# Altium PCB CryptUS_RevB_ASM.PcbDoc (part 1 of 3)
Units mil, origin at the board's own origin, x right, y up, seen from the top; angles counter-clockwise.
Board outline 3937.01 x 3937.01 mil, 8 copper layers (Top Layer, GND 1, Signal 1, GND 2, Signal 2, PWR, GND 3, Bottom Layer), stack 59.978 mil thick; 196 components, 53 nets, 984 pads, 1003 vias.
Unrouted connection lines stored in the file: 186.
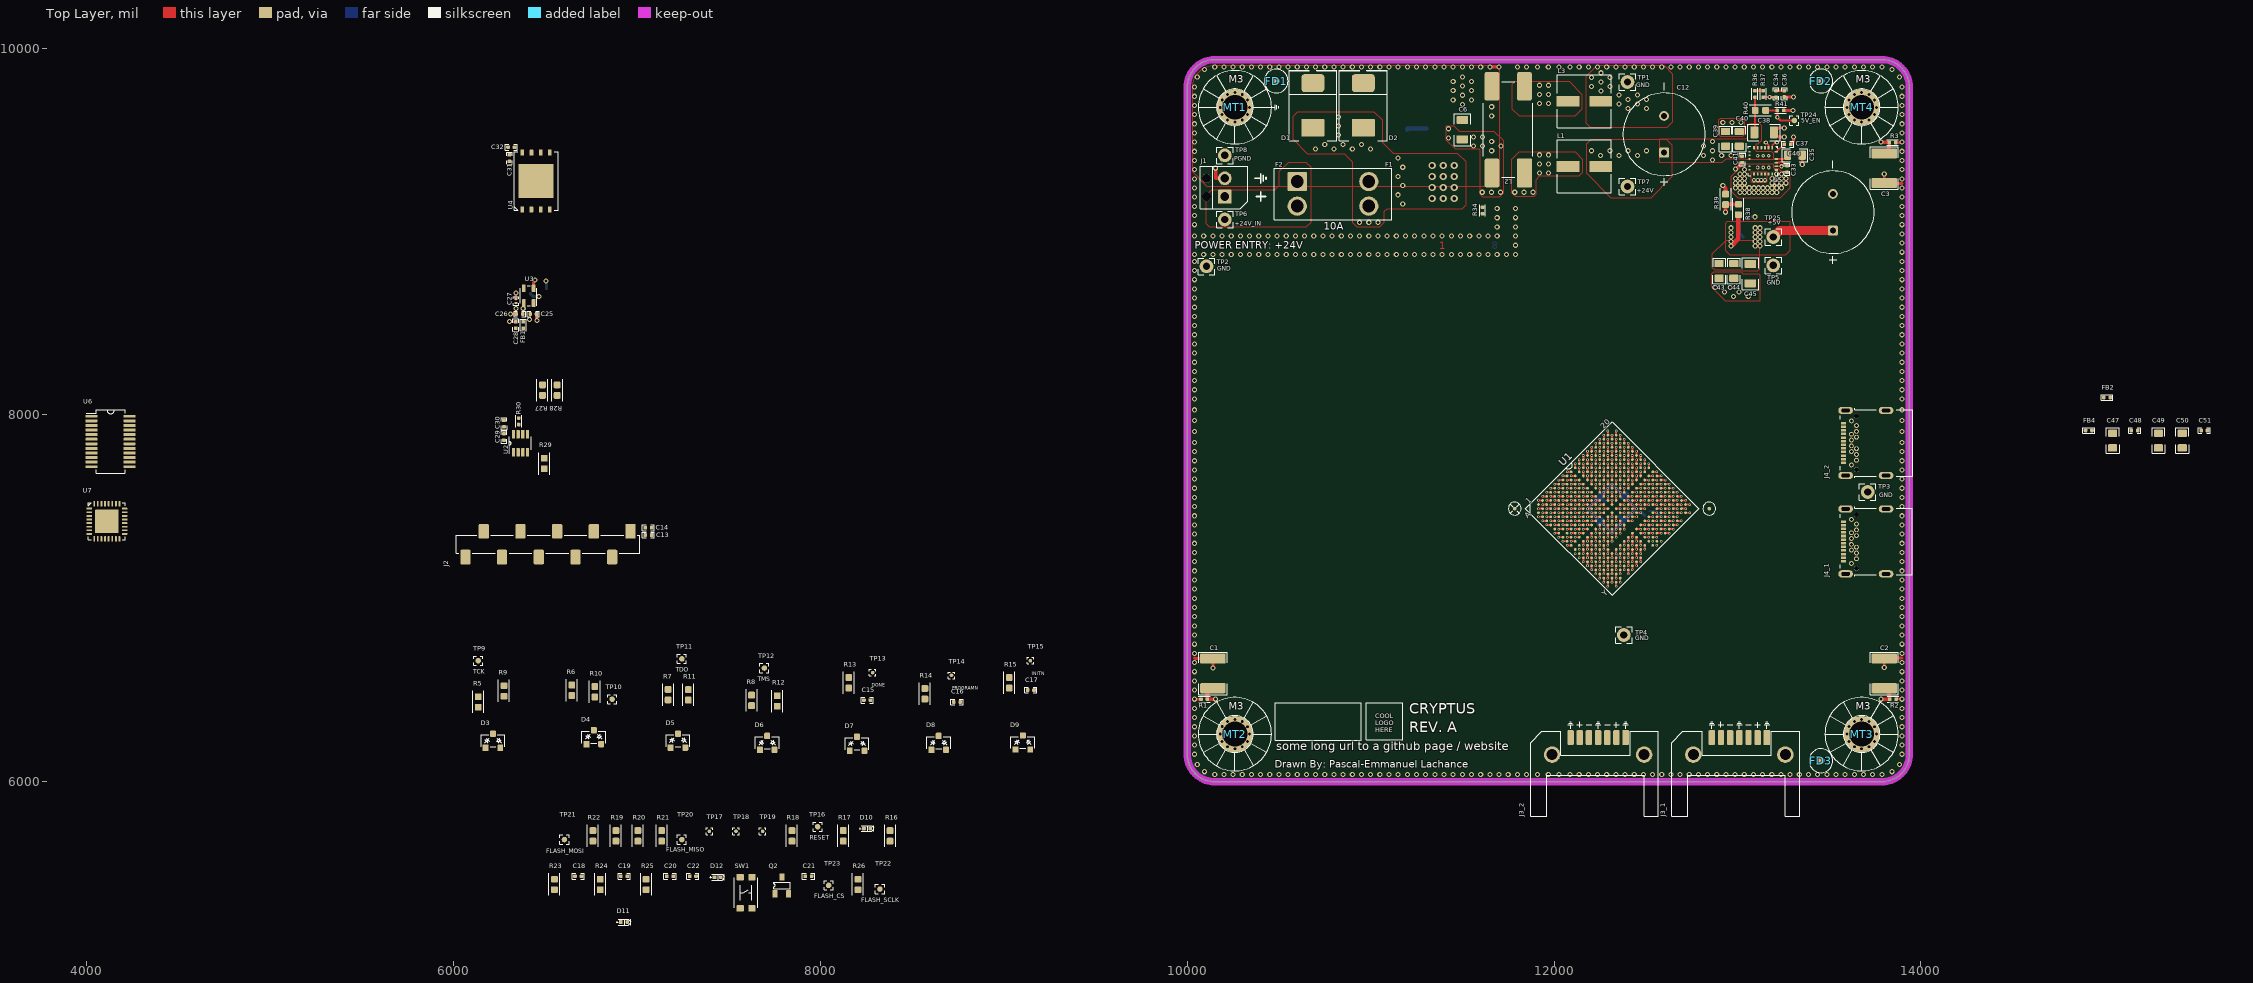
[diagram p0: Top Layer view]
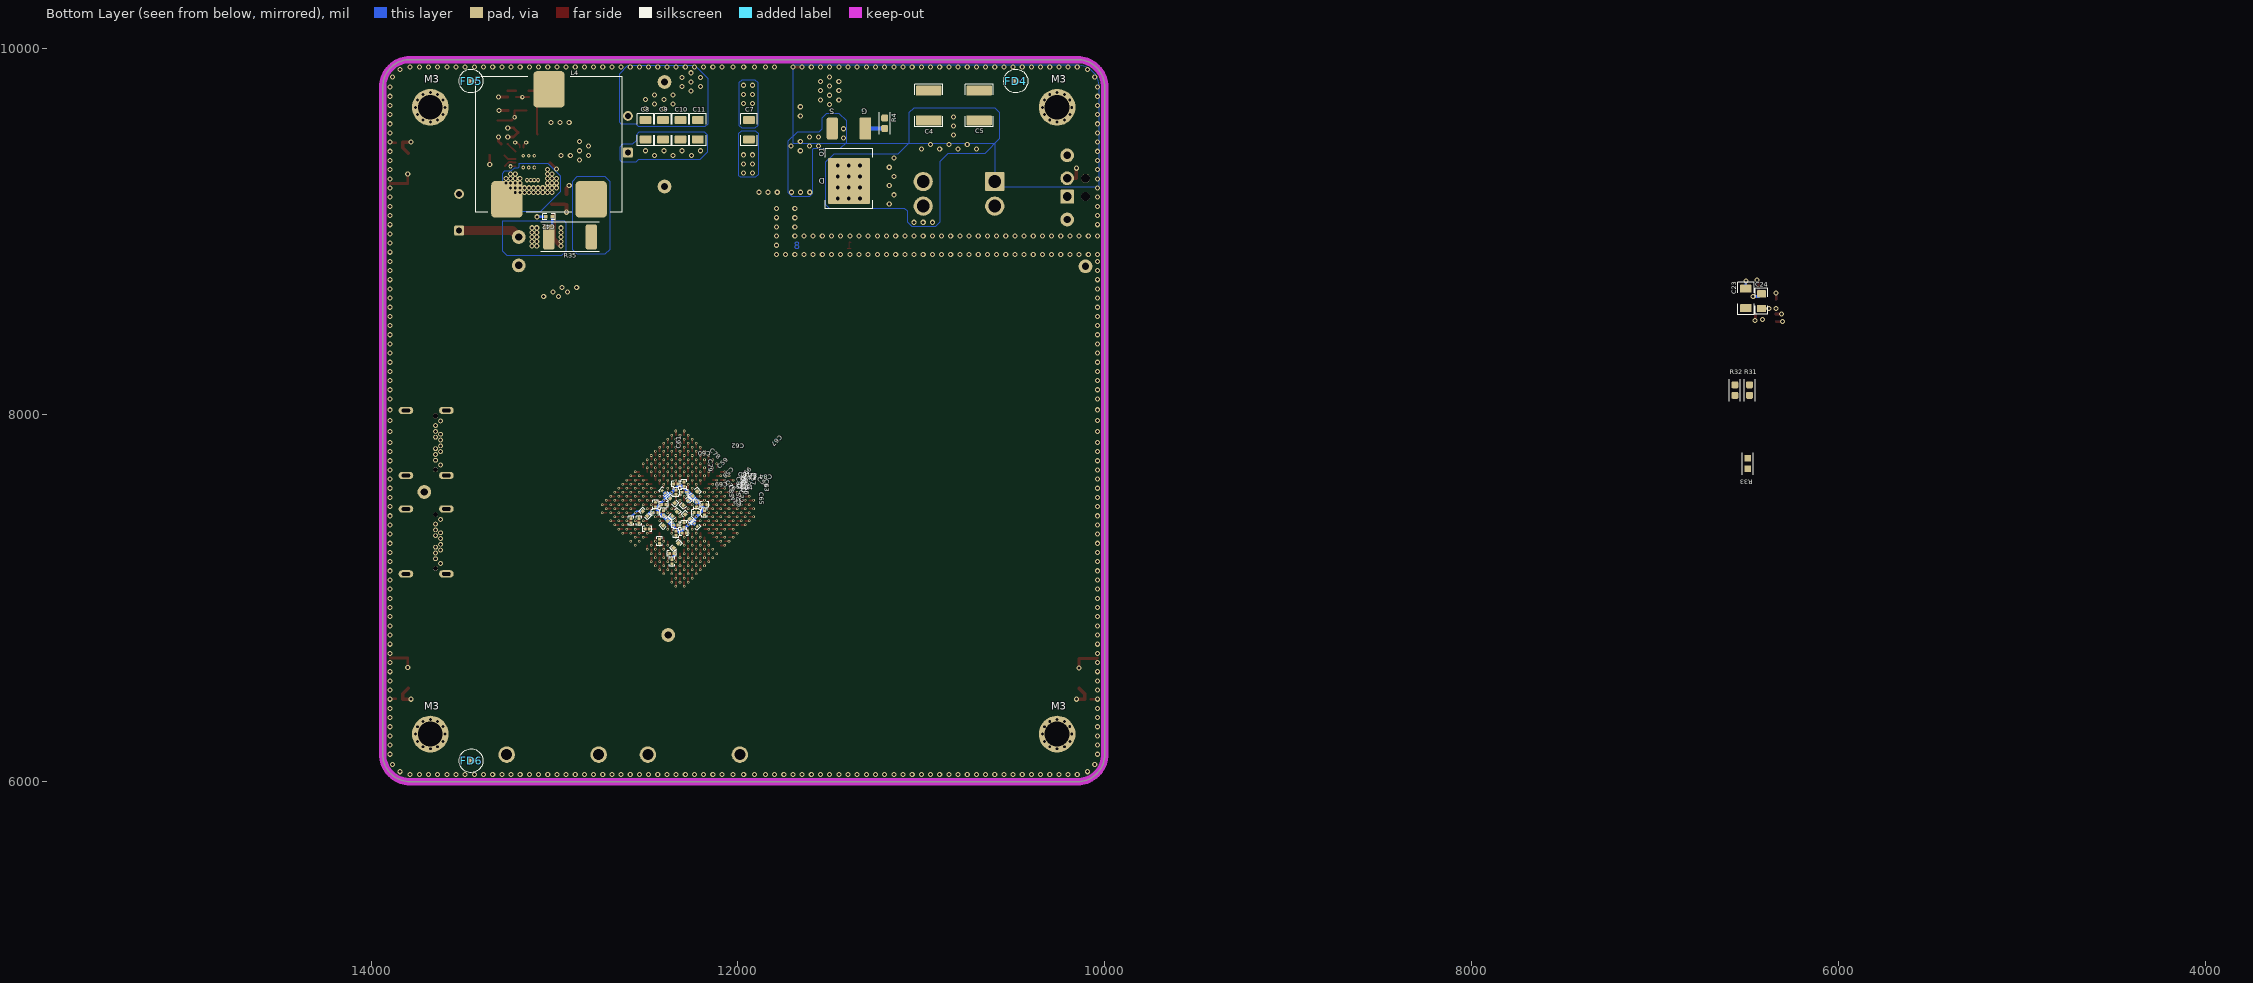
[diagram p1: Bottom Layer view, seen from below]
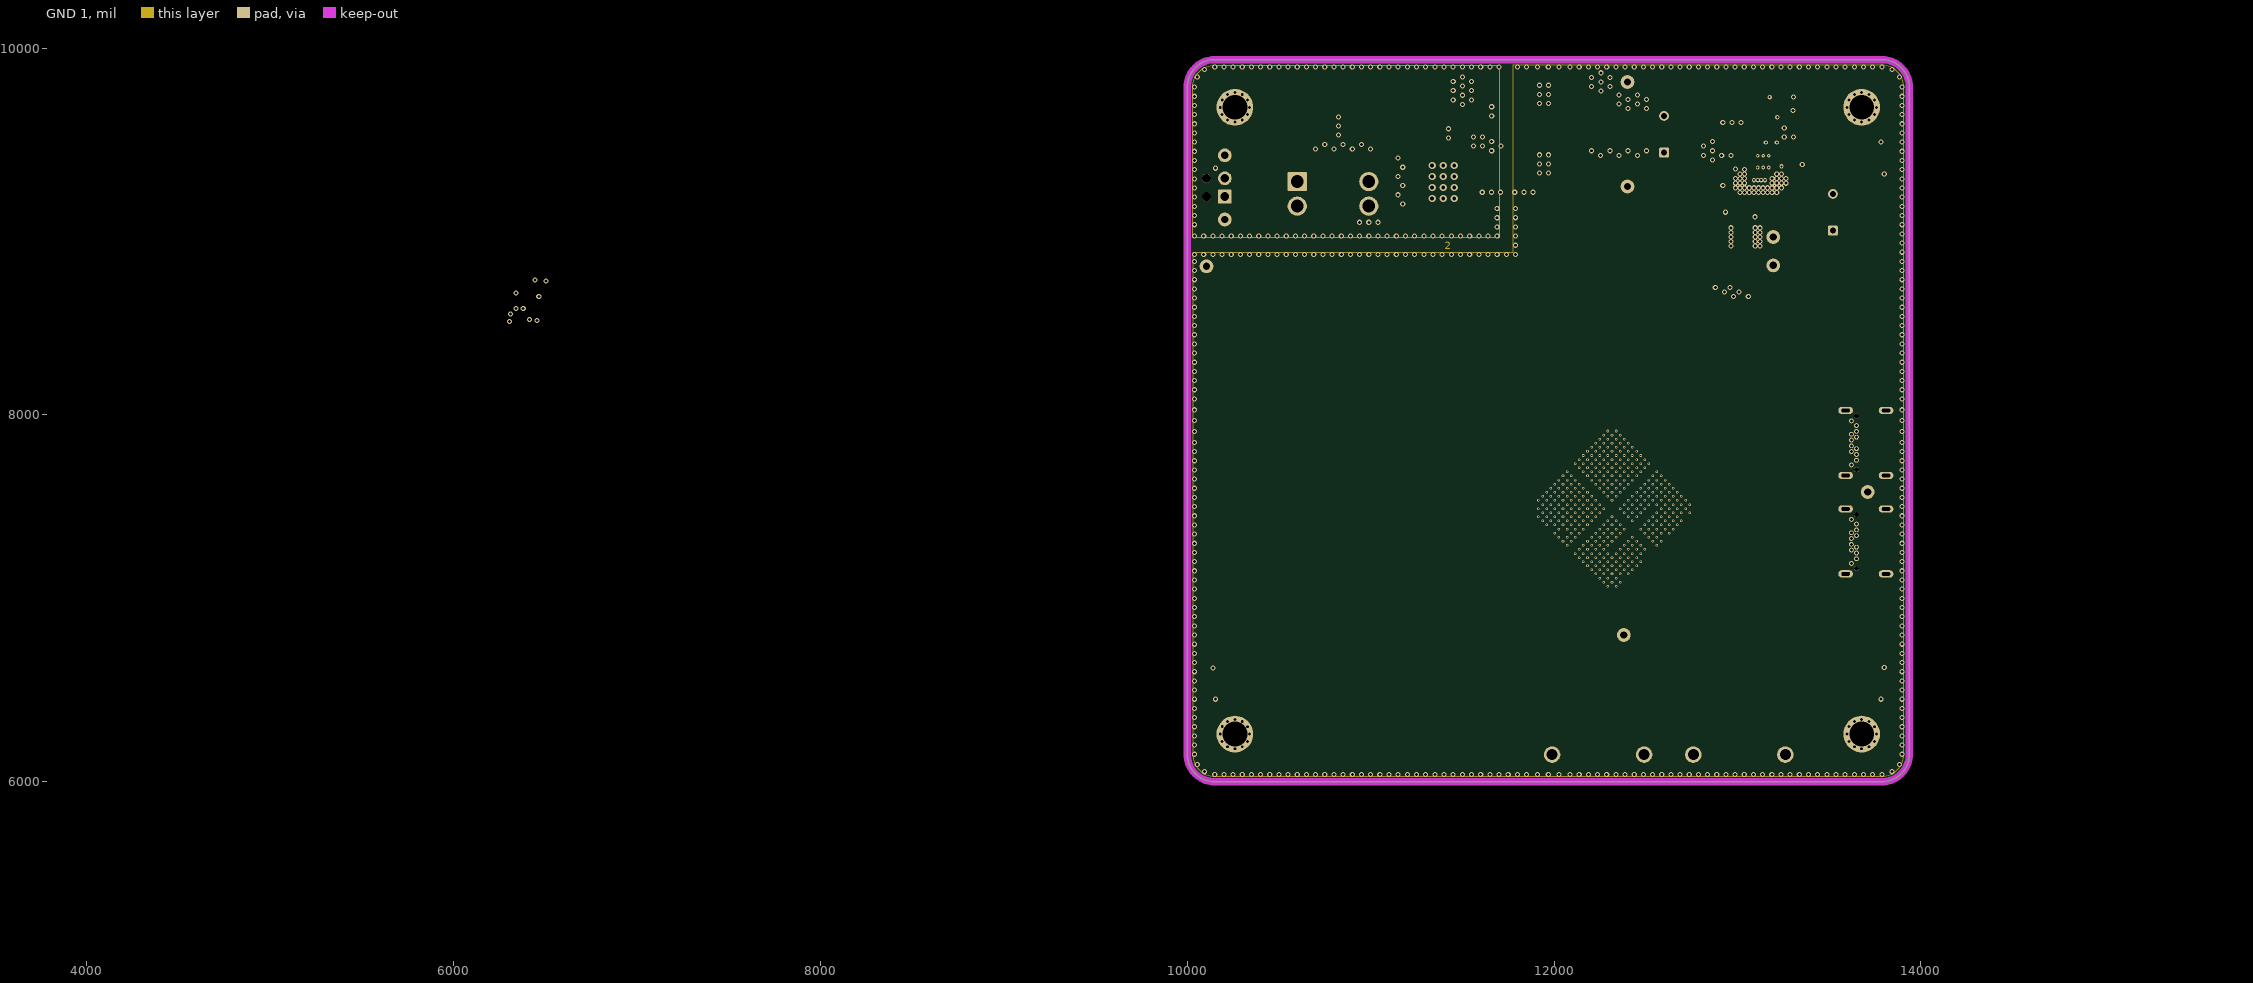
[diagram p2: GND 1]
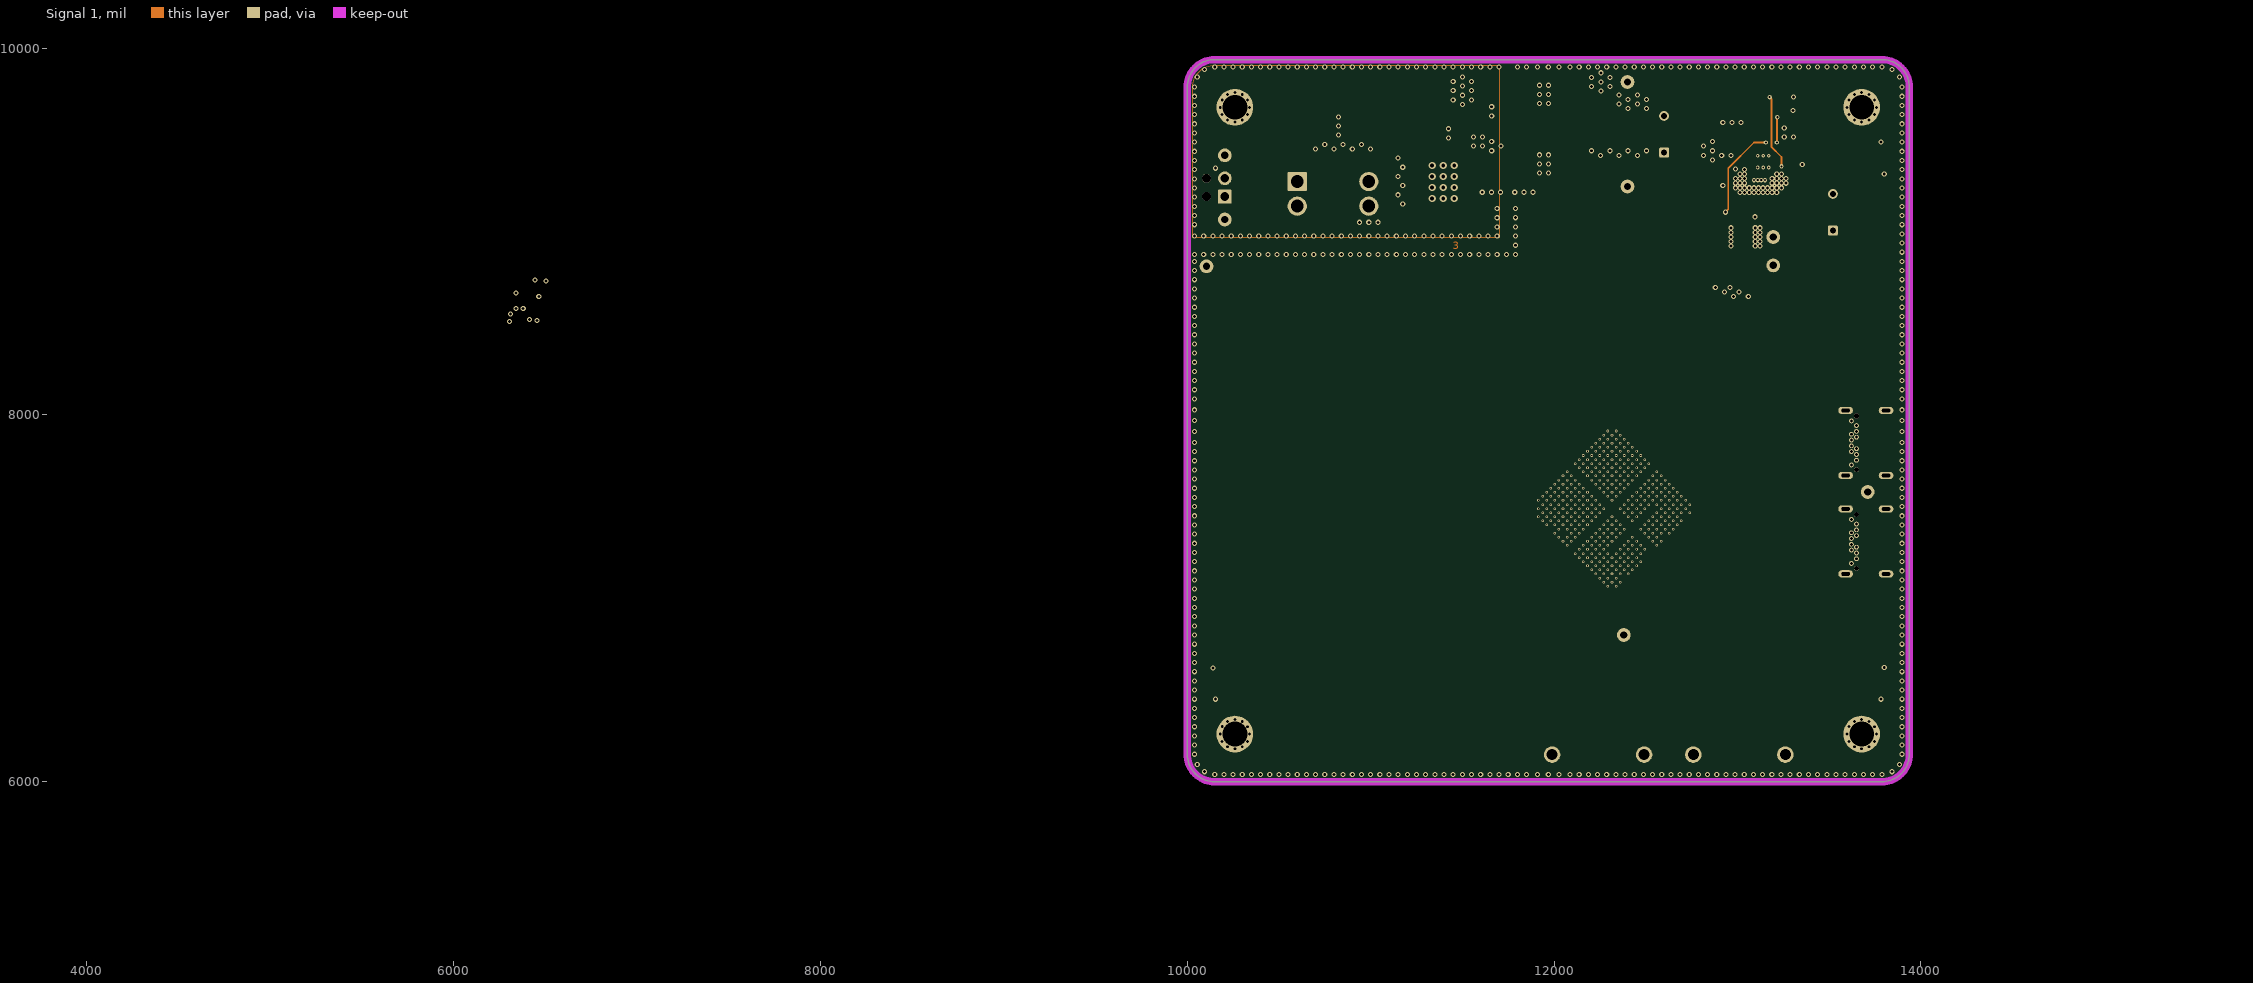
[diagram p3: Signal 1]
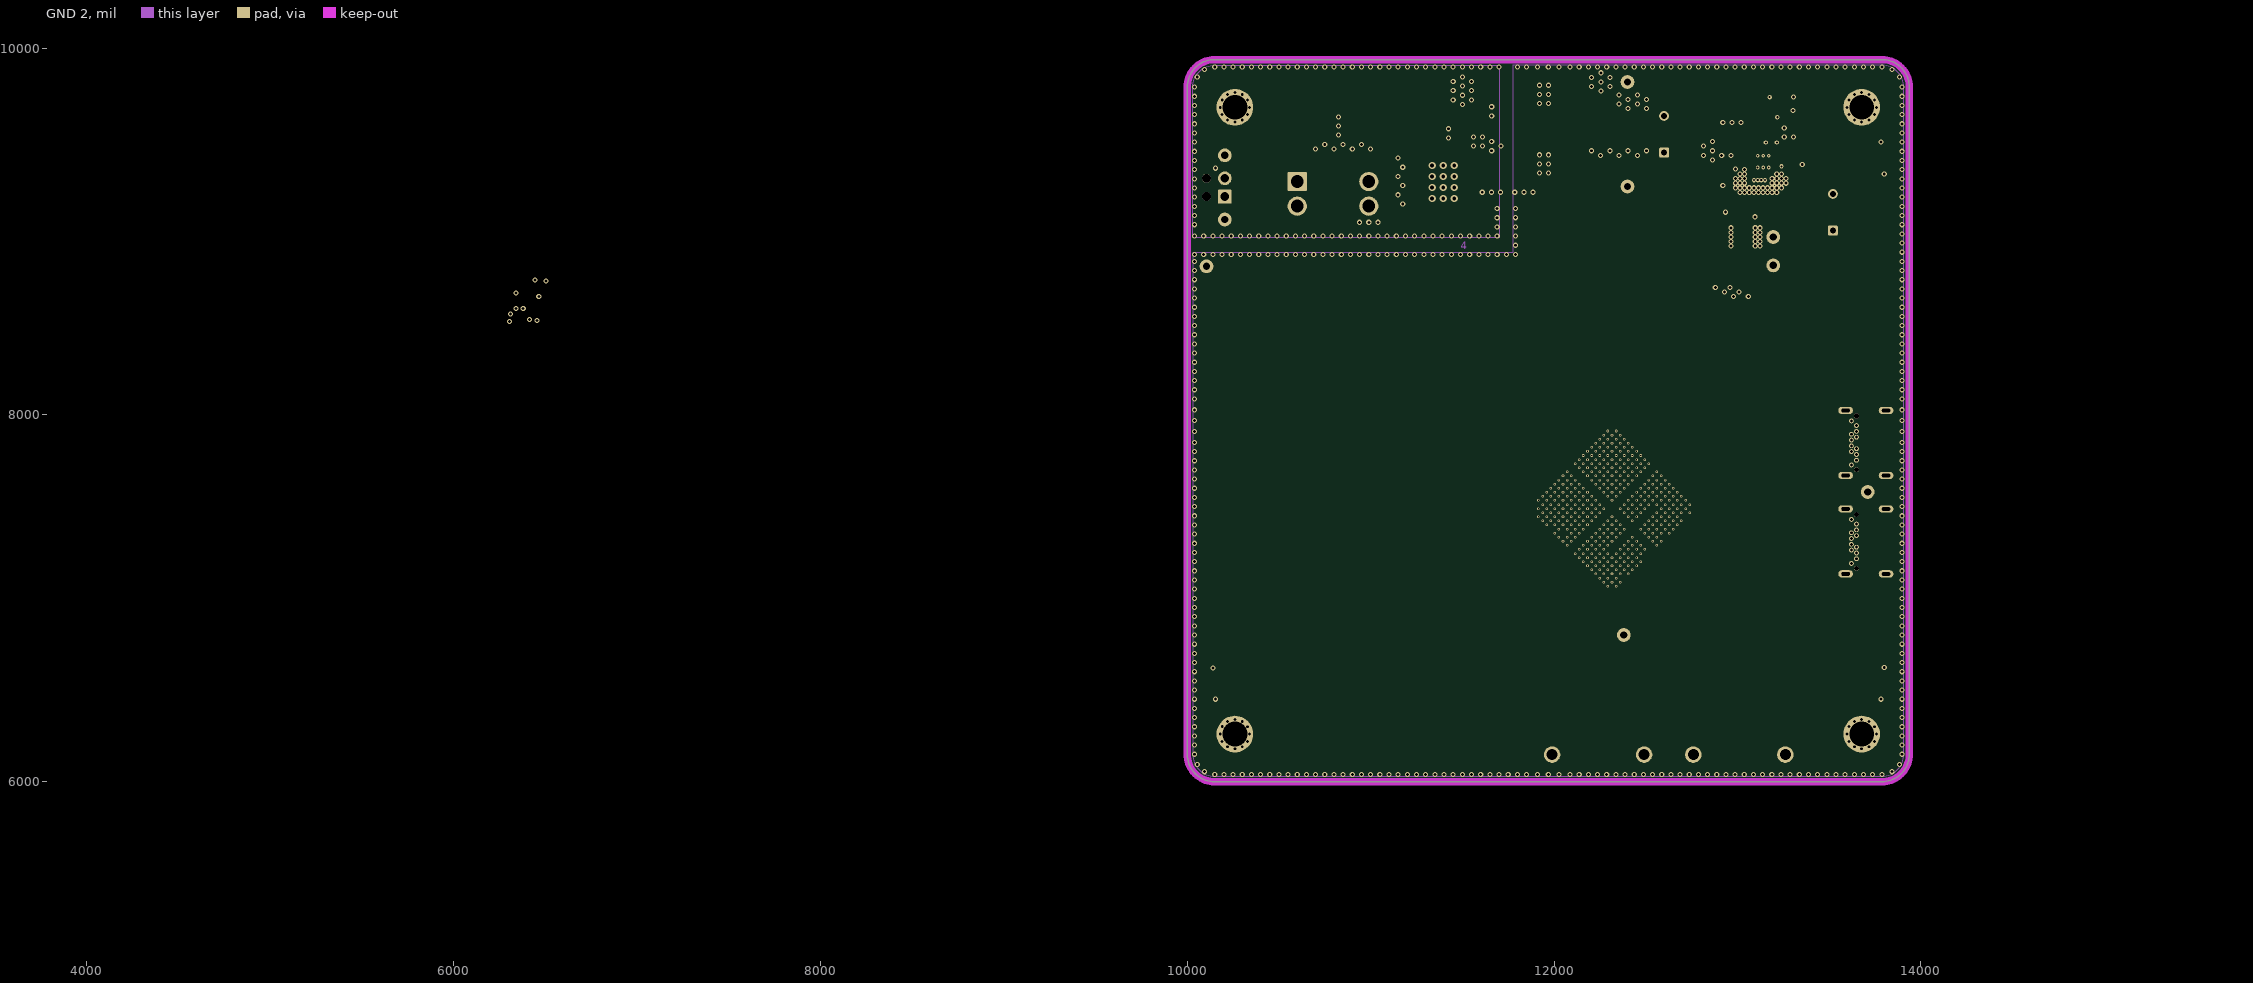
[diagram p4: GND 2]
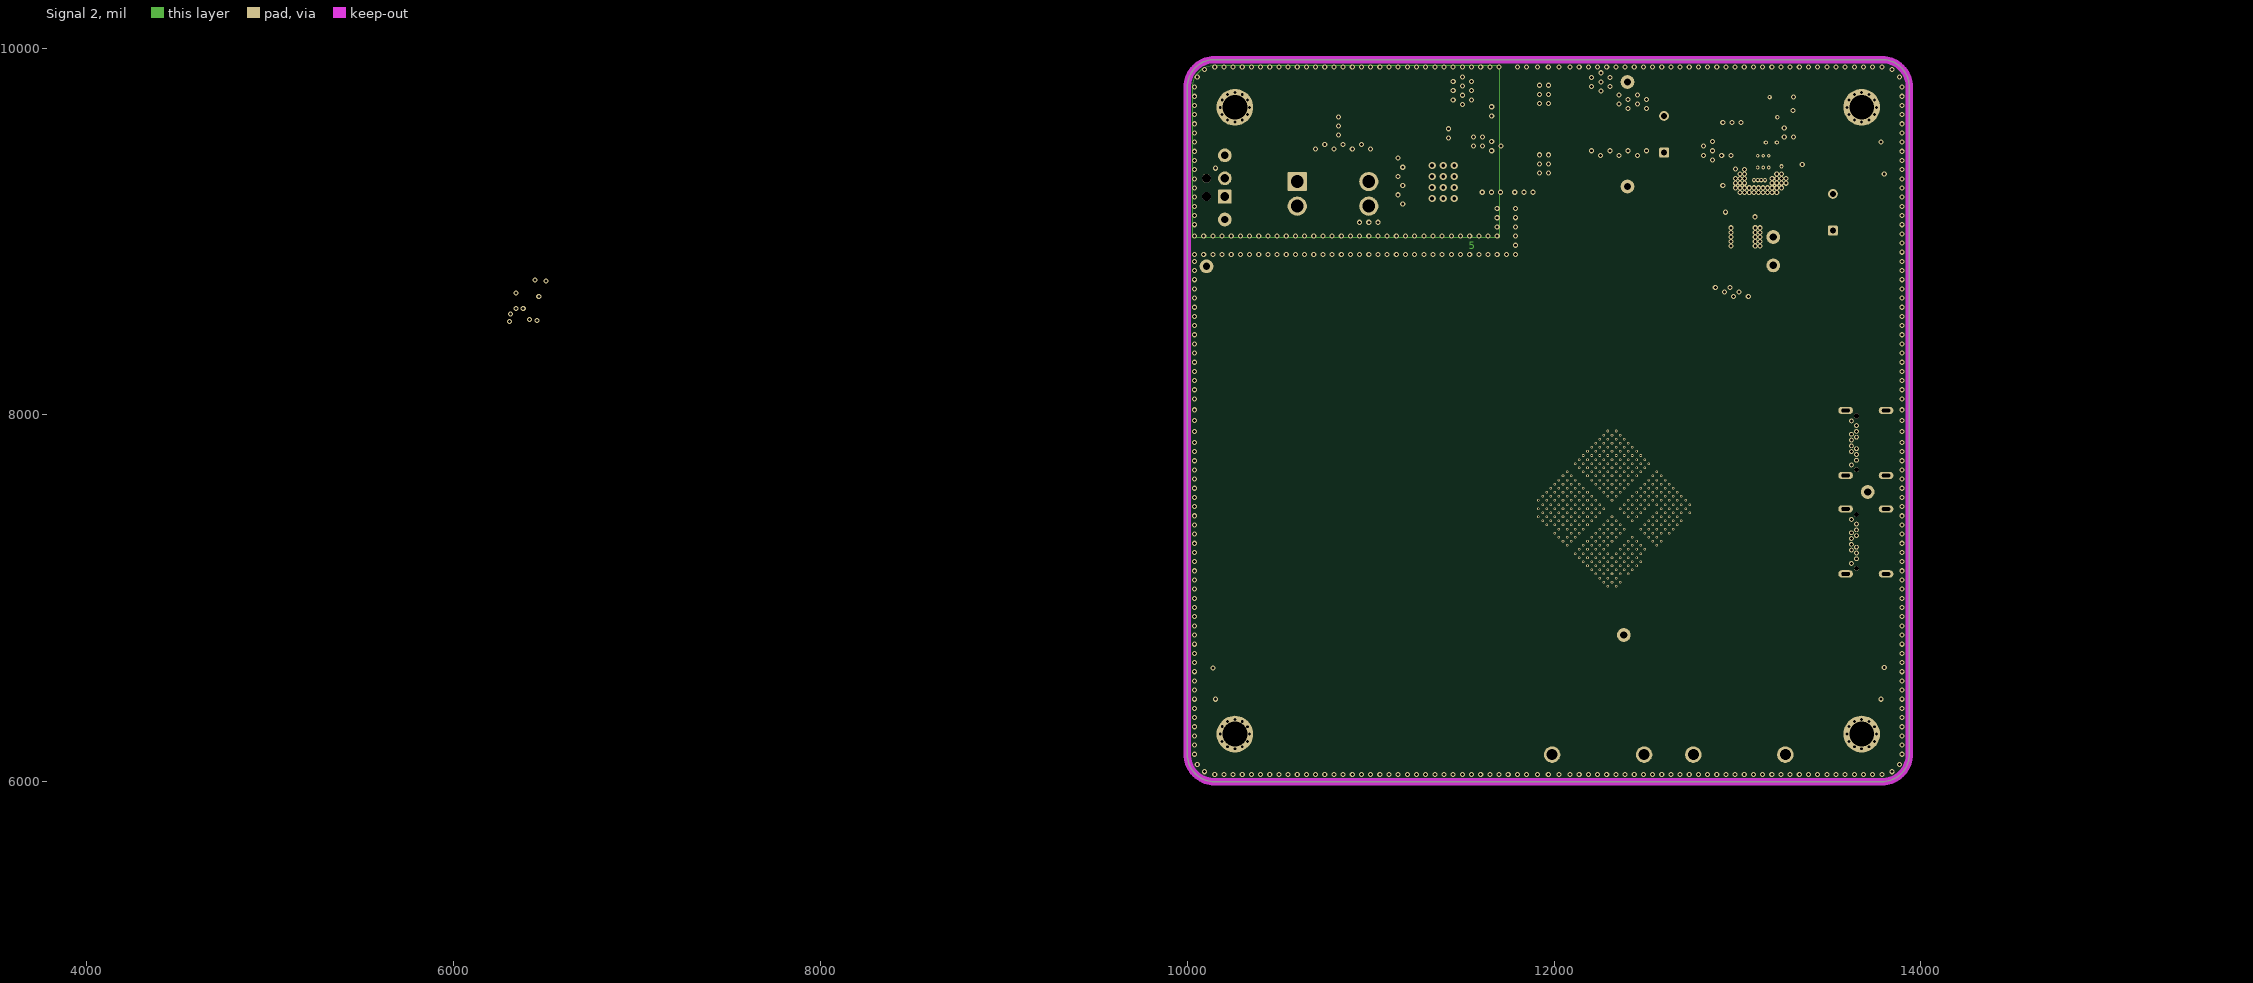
[diagram p5: Signal 2]
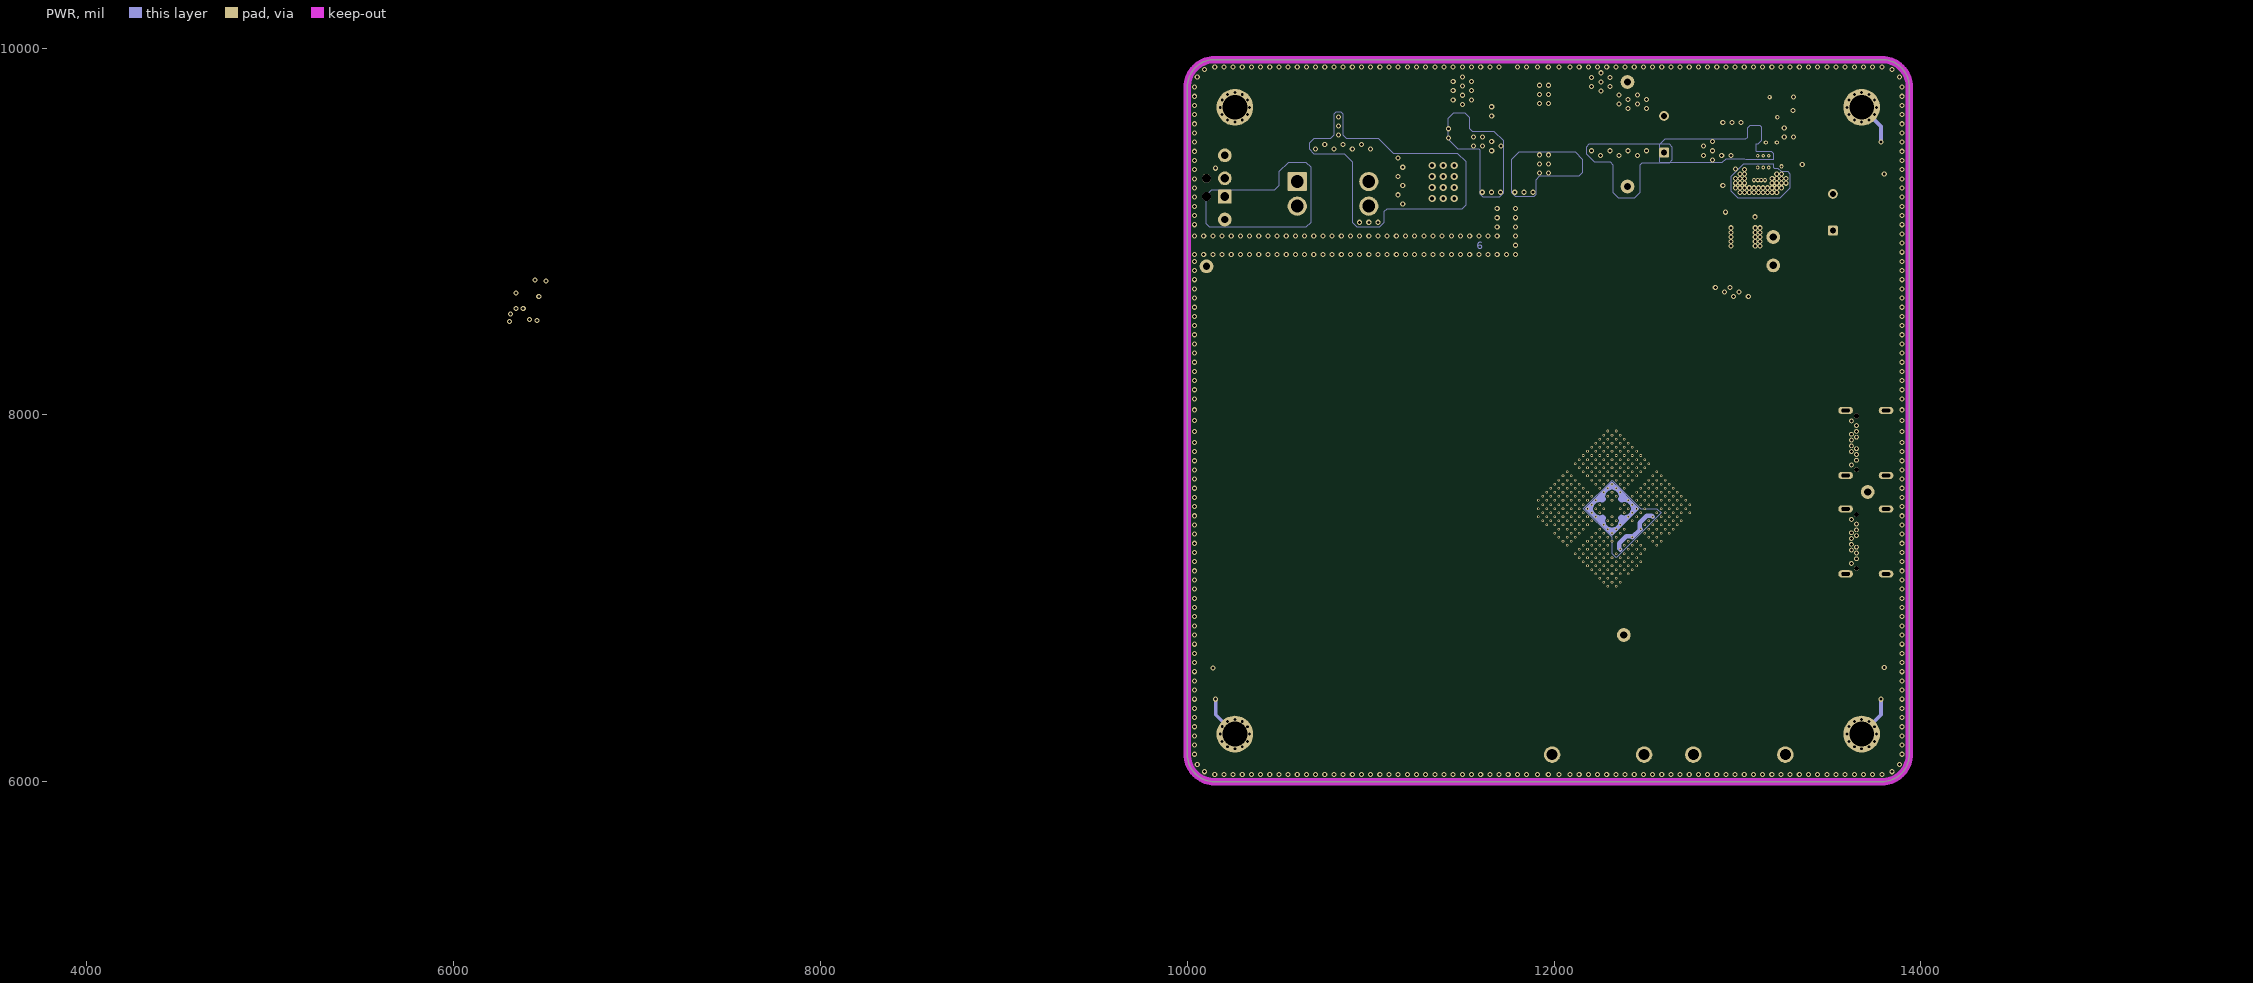
[diagram p6: PWR]
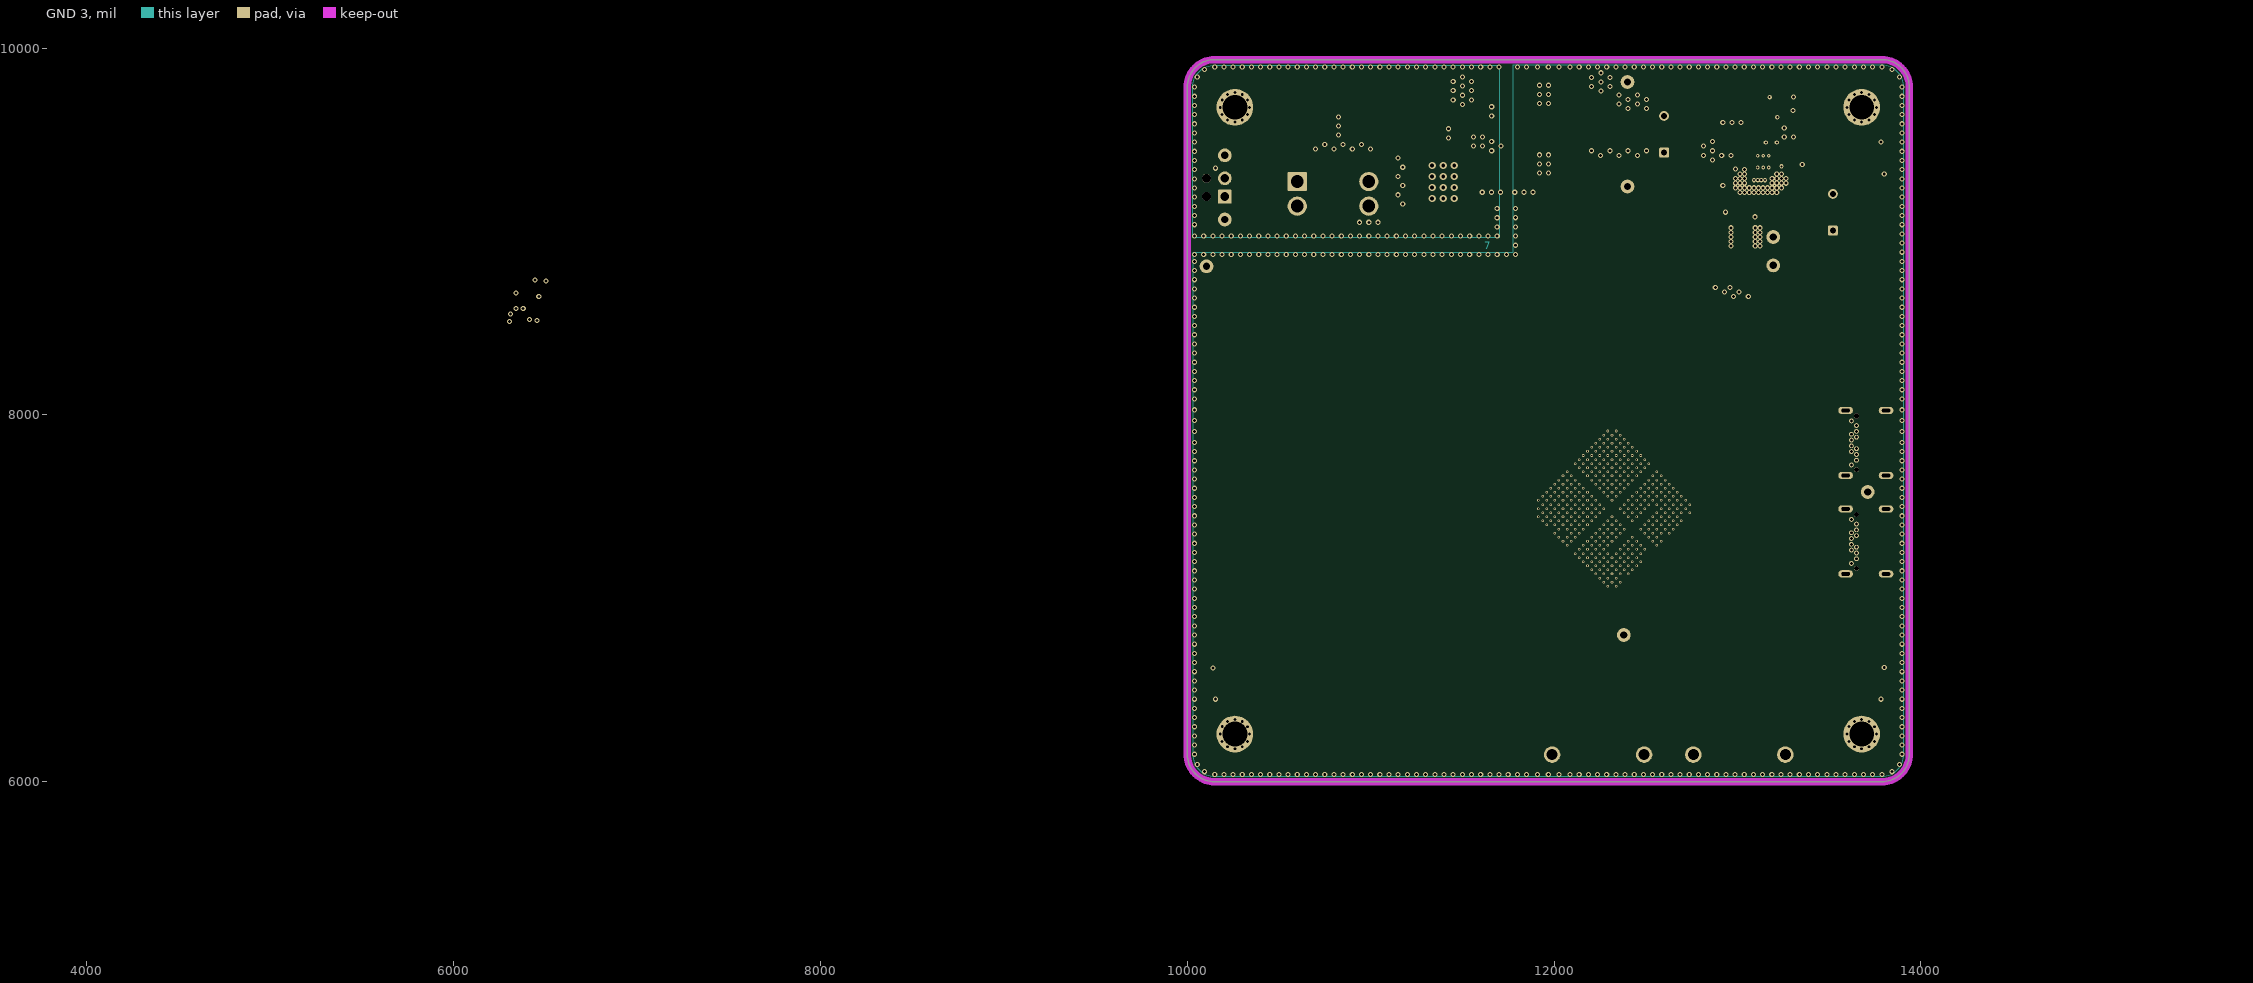
[diagram p7: GND 3]

## Layer stack, top to bottom
Top Solder: solder mask 0.4, Solder Resist, Dk 1
Top Layer: signal copper 0.689
Prepreg 1: prepreg 4, 2116, Dk 4.32
GND 1: signal copper 1.4
Core 1: core 9.4, FR4-TG150, Dk 4.5
Signal 1: signal copper 1.4
Dielectric 1: prepreg 7, 7628, Dk 4.42
GND 2: signal copper 1.4
Core 2: core 9.4, FR4-TG150, Dk 4.5
Signal 2: signal copper 1.4
Dielectric 2: prepreg 7, 7628, Dk 4.42
PWR: signal copper 1.4
Core 3: core 9.4, FR4-TG150, Dk 4.5
GND 3: signal copper 1.4
Prepreg 3: prepreg 4, 2116, Dk 4.32
Bottom Layer: signal copper 0.689
Bottom Solder: solder mask 0.4, Solder Resist, Dk 1

## Board outline
10000,6150 10000,9787.01 cw(c10150,9787.01) 10150,9937.01 13787.01,9937.01 cw(c13787.01,9787.01) 13937.01,9787.01 13937.01,6150 cw(c13787.01,6150) 13787.01,6000 10150,6000 cw(c10150,6150)
